# KiCad board keyboard.kicad_pcb (continued)
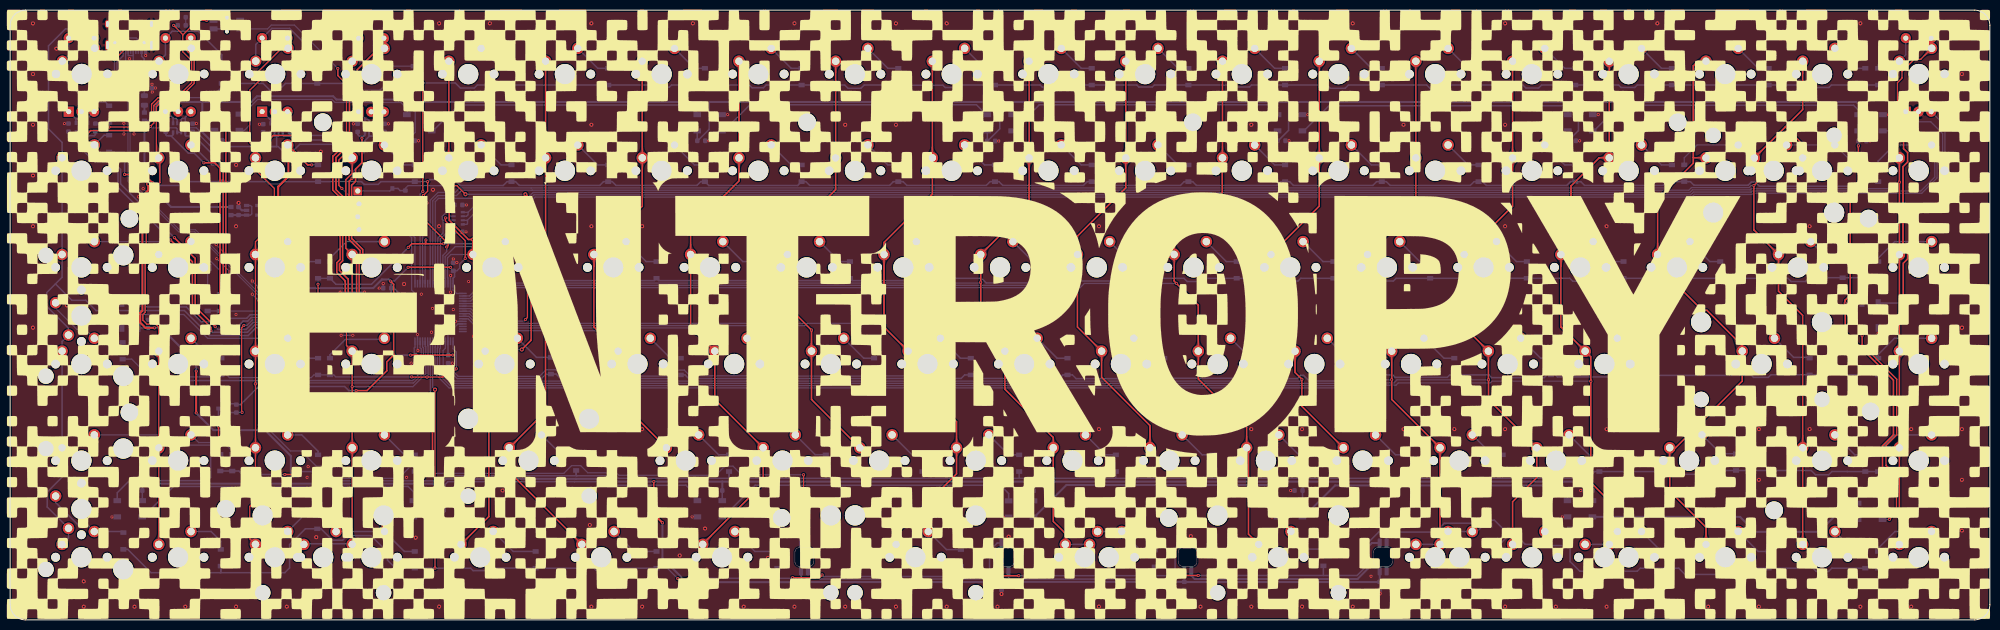
[diagram p0: board, top side]
## Copper pours and planes (outline as drawn; the poured copper is in the pictures) (continued)
Net-(D_18-Pad2) on Bottom: 361.25,111.11 361.12,111.24 361.01,111.38 360.92,111.52 360.83,111.67 360.76,111.82 360.7,111.98 360.66,112.14 360.63,112.31 360.61,112.48 360.6,112.66 359.08,113.07 359.49,111.54 359.66,111.54 359.84,111.52 360,111.49 360.16,111.44 360.32,111.39 360.47,111.31 360.62,111.23 360.76,111.13 360.9,111.02 361.04,110.9
Net-(D_19-Pad2) on Bottom: 373.35,111.48 373.3,111.43 373.23,111.39 373.14,111.35 373.05,111.32 372.94,111.3 372.82,111.27 372.68,111.26 372.54,111.25 372.38,111.24 372.2,111.24 371.8,109.75 373.29,110.15 373.29,110.33 373.3,110.49 373.31,110.63 373.32,110.77 373.35,110.89 373.37,111 373.4,111.09 373.44,111.18 373.48,111.25 373.53,111.3
Net-(D_19-Pad2) on Bottom: 373.56,112.57 373.57,112.73 373.59,112.89 373.62,113.04 373.66,113.19 373.71,113.33 373.77,113.47 373.85,113.6 373.93,113.73 374.03,113.85 374.14,113.97 373.44,115.18 372.74,113.97 372.85,113.85 372.95,113.73 373.03,113.6 373.11,113.47 373.17,113.33 373.22,113.19 373.26,113.04 373.29,112.89 373.31,112.73 373.32,112.57
Net-(D_19-Pad2) on Bottom: 369.84,110.02 370.02,110.01 370.2,109.99 370.37,109.96 370.54,109.91 370.7,109.85 370.85,109.78 371,109.7 371.14,109.6 371.27,109.49 371.4,109.37 372.74,110.14 371.4,110.91 371.27,110.79 371.14,110.68 371,110.58 370.85,110.5 370.7,110.43 370.54,110.37 370.37,110.32 370.2,110.29 370.02,110.27 369.84,110.27
Net-(D_20-Pad2) on Bottom: 18.14,95.39 18,95.26 17.86,95.15 17.72,95.06 17.57,94.97 17.42,94.9 17.26,94.84 17.1,94.8 16.94,94.77 16.76,94.75 16.59,94.74 16.18,93.22 17.7,93.63 17.71,93.8 17.73,93.98 17.76,94.14 17.8,94.3 17.86,94.46 17.93,94.61 18.02,94.76 18.11,94.9 18.22,95.04 18.35,95.18
Net-(D_21-Pad2) on Bottom: 37.61,92.06 37.45,92.19 37.3,92.33 37.17,92.47 37.06,92.62 36.96,92.77 36.89,92.93 36.83,93.09 36.78,93.26 36.76,93.43 36.75,93.61 35.23,94.02 35.64,92.49 35.82,92.49 35.99,92.47 36.17,92.44 36.35,92.39 36.53,92.34 36.7,92.26 36.88,92.18 37.05,92.08 37.23,91.97 37.4,91.85
Net-(D_22-Pad2) on Top: 56.45,92.06 56.32,92.19 56.21,92.33 56.12,92.47 56.03,92.62 55.96,92.77 55.9,92.93 55.86,93.09 55.83,93.26 55.81,93.43 55.8,93.61 54.28,94.02 54.69,92.49 54.86,92.49 55.04,92.47 55.2,92.44 55.36,92.39 55.52,92.34 55.67,92.26 55.82,92.18 55.96,92.08 56.1,91.97 56.24,91.85
Net-(D_23-Pad2) on Bottom: 75.5,92.06 75.37,92.19 75.26,92.33 75.17,92.47 75.08,92.62 75.01,92.77 74.95,92.93 74.91,93.09 74.88,93.26 74.86,93.43 74.85,93.61 73.33,94.02 73.74,92.49 73.91,92.49 74.09,92.47 74.25,92.44 74.41,92.39 74.57,92.34 74.72,92.26 74.87,92.18 75.01,92.08 75.15,91.97 75.29,91.85
Net-(D_24-Pad2) on Bottom: 94.55,92.06 94.42,92.19 94.31,92.33 94.22,92.47 94.13,92.62 94.06,92.77 94,92.93 93.96,93.09 93.93,93.26 93.91,93.43 93.9,93.61 92.38,94.02 92.79,92.49 92.96,92.49 93.14,92.47 93.3,92.44 93.46,92.39 93.62,92.34 93.77,92.26 93.92,92.18 94.06,92.08 94.2,91.97 94.34,91.85
Net-(D_25-Pad2) on Bottom: 113.6,92.06 113.47,92.19 113.36,92.33 113.27,92.47 113.18,92.62 113.11,92.77 113.05,92.93 113.01,93.09 112.98,93.26 112.96,93.43 112.95,93.61 111.43,94.02 111.84,92.49 112.01,92.49 112.19,92.47 112.35,92.44 112.51,92.39 112.67,92.34 112.82,92.26 112.97,92.18 113.11,92.08 113.25,91.97 113.39,91.85
Net-(D_26-Pad2) on Bottom: 132.65,92.06 132.52,92.19 132.41,92.33 132.32,92.47 132.23,92.62 132.16,92.77 132.1,92.93 132.06,93.09 132.03,93.26 132.01,93.43 132,93.61 130.48,94.02 130.89,92.49 131.06,92.49 131.24,92.47 131.4,92.44 131.56,92.39 131.72,92.34 131.87,92.26 132.02,92.18 132.16,92.08 132.3,91.97 132.44,91.85
Net-(D_27-Pad2) on Bottom: 151.7,92.06 151.57,92.19 151.46,92.33 151.37,92.47 151.28,92.62 151.21,92.77 151.15,92.93 151.11,93.09 151.08,93.26 151.06,93.43 151.05,93.61 149.53,94.02 149.94,92.49 150.11,92.49 150.29,92.47 150.45,92.44 150.61,92.39 150.77,92.34 150.92,92.26 151.07,92.18 151.21,92.08 151.35,91.97 151.49,91.85
Net-(D_28-Pad2) on Bottom: 170.75,92.06 170.62,92.19 170.51,92.33 170.42,92.47 170.33,92.62 170.26,92.77 170.2,92.93 170.16,93.09 170.13,93.26 170.11,93.43 170.1,93.61 168.58,94.02 168.99,92.49 169.16,92.49 169.34,92.47 169.5,92.44 169.66,92.39 169.82,92.34 169.97,92.26 170.12,92.18 170.26,92.08 170.4,91.97 170.54,91.85
Net-(D_29-Pad2) on Bottom: 189.8,92.06 189.67,92.19 189.56,92.33 189.47,92.47 189.38,92.62 189.31,92.77 189.25,92.93 189.21,93.09 189.18,93.26 189.16,93.43 189.15,93.61 187.63,94.02 188.04,92.49 188.21,92.49 188.39,92.47 188.55,92.44 188.71,92.39 188.87,92.34 189.02,92.26 189.17,92.18 189.31,92.08 189.45,91.97 189.59,91.85
Net-(D_30-Pad2) on Bottom: 208.85,92.06 208.72,92.19 208.61,92.33 208.52,92.47 208.43,92.62 208.36,92.77 208.3,92.93 208.26,93.09 208.23,93.26 208.21,93.43 208.2,93.61 206.68,94.02 207.09,92.49 207.26,92.49 207.44,92.47 207.6,92.44 207.76,92.39 207.92,92.34 208.07,92.26 208.22,92.18 208.36,92.08 208.5,91.97 208.64,91.85
Net-(D_31-Pad2) on Bottom: 227.9,92.06 227.77,92.19 227.66,92.33 227.57,92.47 227.48,92.62 227.41,92.77 227.35,92.93 227.31,93.09 227.28,93.26 227.26,93.43 227.25,93.61 225.73,94.02 226.14,92.49 226.31,92.49 226.49,92.47 226.65,92.44 226.81,92.39 226.97,92.34 227.12,92.26 227.27,92.18 227.41,92.08 227.55,91.97 227.69,91.85
Net-(D_32-Pad2) on Bottom: 246.95,92.06 246.82,92.19 246.71,92.33 246.62,92.47 246.53,92.62 246.46,92.77 246.4,92.93 246.36,93.09 246.33,93.26 246.31,93.43 246.3,93.61 244.78,94.02 245.19,92.49 245.36,92.49 245.54,92.47 245.7,92.44 245.86,92.39 246.02,92.34 246.17,92.26 246.32,92.18 246.46,92.08 246.6,91.97 246.74,91.85
Net-(D_33-Pad2) on Bottom: 266,92.06 265.87,92.19 265.76,92.33 265.67,92.47 265.58,92.62 265.51,92.77 265.45,92.93 265.41,93.09 265.38,93.26 265.36,93.43 265.35,93.61 263.83,94.02 264.24,92.49 264.41,92.49 264.59,92.47 264.75,92.44 264.91,92.39 265.07,92.34 265.22,92.26 265.37,92.18 265.51,92.08 265.65,91.97 265.79,91.85
Net-(D_34-Pad2) on Bottom: 285.05,92.06 284.92,92.19 284.81,92.33 284.72,92.47 284.63,92.62 284.56,92.77 284.5,92.93 284.46,93.09 284.43,93.26 284.41,93.43 284.4,93.61 282.88,94.02 283.29,92.49 283.46,92.49 283.64,92.47 283.8,92.44 283.96,92.39 284.12,92.34 284.27,92.26 284.42,92.18 284.56,92.08 284.7,91.97 284.84,91.85
Net-(D_35-Pad2) on Bottom: 304.1,92.06 303.97,92.19 303.86,92.33 303.77,92.47 303.68,92.62 303.61,92.77 303.55,92.93 303.51,93.09 303.48,93.26 303.46,93.43 303.45,93.61 301.93,94.02 302.34,92.49 302.51,92.49 302.69,92.47 302.85,92.44 303.01,92.39 303.17,92.34 303.32,92.26 303.47,92.18 303.61,92.08 303.75,91.97 303.89,91.85
Net-(D_36-Pad2) on Bottom: 323.15,92.06 323.02,92.19 322.91,92.33 322.82,92.47 322.73,92.62 322.66,92.77 322.6,92.93 322.56,93.09 322.53,93.26 322.51,93.43 322.5,93.61 320.98,94.02 321.39,92.49 321.56,92.49 321.74,92.47 321.9,92.44 322.06,92.39 322.22,92.34 322.37,92.26 322.52,92.18 322.66,92.08 322.8,91.97 322.94,91.85
Net-(D_37-Pad2) on Bottom: 361.27,92 361.14,92.14 361.03,92.28 360.93,92.43 360.84,92.58 360.77,92.74 360.71,92.9 360.66,93.07 360.63,93.25 360.61,93.42 360.6,93.61 359.08,94.02 359.49,92.49 359.67,92.49 359.85,92.47 360.02,92.44 360.19,92.39 360.35,92.33 360.51,92.26 360.67,92.17 360.81,92.07 360.96,91.95 361.1,91.82
Net-(D_37-Pad2) on Bottom: 357.06,93.49 357.25,93.49 357.44,93.47 357.61,93.43 357.78,93.39 357.95,93.33 358.1,93.25 358.26,93.17 358.4,93.07 358.54,92.96 358.67,92.83 360.04,93.62 358.67,94.41 358.54,94.28 358.4,94.17 358.26,94.07 358.1,93.98 357.95,93.91 357.78,93.85 357.61,93.8 357.44,93.77 357.25,93.75 357.06,93.74
Net-(D_37-Pad2) on Bottom: 352.6,93.74 352.36,93.75 352.14,93.77 351.93,93.8 351.73,93.85 351.54,93.91 351.36,93.98 351.19,94.07 351.04,94.17 350.89,94.28 350.76,94.41 349.39,93.62 350.76,92.83 350.89,92.96 351.04,93.07 351.19,93.17 351.36,93.25 351.54,93.33 351.73,93.39 351.93,93.43 352.14,93.47 352.36,93.49 352.6,93.49
Net-(D_38-Pad2) on Bottom: 376.17,93.47 376.36,93.46 376.53,93.44 376.7,93.41 376.87,93.37 377.02,93.31 377.18,93.24 377.32,93.16 377.46,93.06 377.6,92.95 377.72,92.83 379.09,93.62 377.72,94.41 377.6,94.28 377.46,94.18 377.32,94.08 377.18,94 377.02,93.93 376.87,93.87 376.7,93.82 376.53,93.79 376.36,93.77 376.17,93.77
Net-(D_39-Pad2) on Bottom: 18.17,74.69 18.14,74.7 18.09,74.72 18.04,74.75 17.98,74.8 17.9,74.86 17.82,74.93 17.72,75.02 17.62,75.12 17.51,75.23 17.38,75.35 16.02,74.57 17.38,73.78 17.51,73.91 17.62,74.02 17.72,74.12 17.82,74.2 17.9,74.28 17.98,74.34 18.04,74.38 18.09,74.42 18.14,74.44 18.17,74.44
Net-(D_40-Pad2) on Bottom: 14.78,57.14 14.91,57 15.03,56.85 15.13,56.71 15.22,56.55 15.29,56.39 15.35,56.23 15.4,56.06 15.43,55.89 15.45,55.71 15.45,55.53 16.98,55.12 16.57,56.64 16.38,56.65 16.21,56.67 16.03,56.7 15.86,56.75 15.7,56.81 15.54,56.88 15.39,56.97 15.24,57.07 15.1,57.18 14.96,57.31
Net-(D_40-Pad2) on Bottom: 10.75,59.82 10.62,60.16 10.51,60.49 10.41,60.79 10.32,61.09 10.25,61.36 10.19,61.62 10.14,61.86 10.11,62.09 10.09,62.3 10.08,62.49 8.56,62.9 8.97,61.38 9.15,61.36 9.33,61.31 9.5,61.23 9.67,61.11 9.83,60.95 9.99,60.76 10.15,60.53 10.29,60.27 10.44,59.98 10.58,59.65
Net-(D_41-Pad2) on Bottom: 37.42,72.95 37.29,73.09 37.18,73.23 37.08,73.38 36.99,73.53 36.92,73.69 36.86,73.85 36.81,74.02 36.78,74.2 36.76,74.37 36.75,74.56 35.23,74.97 35.64,73.44 35.82,73.44 36,73.42 36.17,73.39 36.34,73.34 36.5,73.28 36.66,73.21 36.82,73.12 36.96,73.02 37.11,72.9 37.25,72.77
Net-(D_42-Pad2) on Bottom: 56.45,73.01 56.32,73.14 56.21,73.28 56.12,73.42 56.03,73.57 55.96,73.72 55.9,73.88 55.86,74.04 55.83,74.21 55.81,74.38 55.8,74.56 54.28,74.97 54.69,73.44 54.86,73.44 55.04,73.42 55.2,73.39 55.36,73.34 55.52,73.29 55.67,73.21 55.82,73.13 55.96,73.03 56.1,72.92 56.24,72.8
Net-(D_43-Pad2) on Bottom: 71.37,74.42 71.56,74.41 71.73,74.39 71.9,74.36 72.07,74.32 72.22,74.26 72.38,74.19 72.52,74.11 72.66,74.01 72.8,73.9 72.92,73.78 74.29,74.57 72.92,75.35 72.8,75.23 72.66,75.13 72.52,75.03 72.38,74.95 72.22,74.88 72.07,74.82 71.9,74.77 71.73,74.74 71.56,74.72 71.37,74.72
Net-(D_44-Pad2) on Bottom: 99.33,74.72 99.26,74.72 99.18,74.74 99.09,74.77 99,74.82 98.9,74.88 98.8,74.95 98.69,75.03 98.58,75.13 98.47,75.23 98.34,75.35 96.98,74.57 98.34,73.78 98.47,73.9 98.58,74.01 98.69,74.11 98.8,74.19 98.9,74.26 99,74.32 99.09,74.36 99.18,74.39 99.26,74.41 99.33,74.42
Net-(D_45-Pad2) on Bottom: 123.12,73.01 123,73.14 122.89,73.28 122.79,73.42 122.71,73.57 122.63,73.72 122.58,73.88 122.53,74.04 122.5,74.21 122.48,74.38 122.48,74.56 120.95,74.97 121.36,73.44 121.54,73.44 121.71,73.42 121.88,73.39 122.04,73.34 122.2,73.29 122.35,73.21 122.5,73.13 122.64,73.03 122.78,72.92 122.91,72.8
Net-(D_46-Pad2) on Bottom: 142.17,73.01 142.05,73.14 141.94,73.28 141.84,73.42 141.76,73.57 141.68,73.72 141.63,73.88 141.58,74.04 141.55,74.21 141.53,74.38 141.53,74.56 140,74.97 140.41,73.44 140.59,73.44 140.76,73.42 140.93,73.39 141.09,73.34 141.25,73.29 141.4,73.21 141.55,73.13 141.69,73.03 141.83,72.92 141.96,72.8
Net-(D_47-Pad2) on Bottom: 161.22,73.01 161.1,73.14 160.99,73.28 160.89,73.42 160.81,73.57 160.73,73.72 160.68,73.88 160.63,74.04 160.6,74.21 160.58,74.38 160.58,74.56 159.05,74.97 159.46,73.44 159.64,73.44 159.81,73.42 159.98,73.39 160.14,73.34 160.3,73.29 160.45,73.21 160.6,73.13 160.74,73.03 160.88,72.92 161.01,72.8
Net-(D_48-Pad2) on Bottom: 180.27,73.01 180.15,73.14 180.04,73.28 179.94,73.42 179.86,73.57 179.78,73.72 179.73,73.88 179.68,74.04 179.65,74.21 179.63,74.38 179.63,74.56 178.1,74.97 178.51,73.44 178.69,73.44 178.86,73.42 179.03,73.39 179.19,73.34 179.35,73.29 179.5,73.21 179.65,73.13 179.79,73.03 179.93,72.92 180.06,72.8
Net-(D_49-Pad2) on Bottom: 199.32,73.01 199.2,73.14 199.09,73.28 198.99,73.42 198.91,73.57 198.83,73.72 198.78,73.88 198.73,74.04 198.7,74.21 198.68,74.38 198.68,74.56 197.15,74.97 197.56,73.44 197.74,73.44 197.91,73.42 198.08,73.39 198.24,73.34 198.4,73.29 198.55,73.21 198.7,73.13 198.84,73.03 198.98,72.92 199.11,72.8
Net-(D_50-Pad2) on Bottom: 218.37,73.01 218.25,73.14 218.14,73.28 218.04,73.42 217.96,73.57 217.88,73.72 217.83,73.88 217.78,74.04 217.75,74.21 217.73,74.38 217.73,74.56 216.2,74.97 216.61,73.44 216.79,73.44 216.96,73.42 217.13,73.39 217.29,73.34 217.45,73.29 217.6,73.21 217.75,73.13 217.89,73.03 218.03,72.92 218.16,72.8
Net-(D_51-Pad2) on Bottom: 237.42,73.01 237.3,73.14 237.19,73.28 237.09,73.42 237.01,73.57 236.93,73.72 236.88,73.88 236.83,74.04 236.8,74.21 236.78,74.38 236.78,74.56 235.25,74.97 235.66,73.44 235.84,73.44 236.01,73.42 236.18,73.39 236.34,73.34 236.5,73.29 236.65,73.21 236.8,73.13 236.94,73.03 237.08,72.92 237.21,72.8
Net-(D_52-Pad2) on Bottom: 256.47,73.01 256.35,73.14 256.24,73.28 256.14,73.42 256.06,73.57 255.98,73.72 255.93,73.88 255.88,74.04 255.85,74.21 255.83,74.38 255.83,74.56 254.3,74.97 254.71,73.44 254.89,73.44 255.06,73.42 255.23,73.39 255.39,73.34 255.55,73.29 255.7,73.21 255.85,73.13 255.99,73.03 256.13,72.92 256.26,72.8
Net-(D_53-Pad2) on Bottom: 275.52,73.01 275.4,73.14 275.29,73.28 275.19,73.42 275.11,73.57 275.03,73.72 274.98,73.88 274.93,74.04 274.9,74.21 274.88,74.38 274.88,74.56 273.35,74.97 273.76,73.44 273.94,73.44 274.11,73.42 274.28,73.39 274.44,73.34 274.6,73.29 274.75,73.21 274.9,73.13 275.04,73.03 275.18,72.92 275.31,72.8
Net-(D_54-Pad2) on Bottom: 294.57,73.01 294.45,73.14 294.34,73.28 294.24,73.42 294.16,73.57 294.08,73.72 294.03,73.88 293.98,74.04 293.95,74.21 293.93,74.38 293.93,74.56 292.4,74.97 292.81,73.44 292.99,73.44 293.16,73.42 293.33,73.39 293.49,73.34 293.65,73.29 293.8,73.21 293.95,73.13 294.09,73.03 294.23,72.92 294.36,72.8
Net-(D_55-Pad2) on Bottom: 313.62,73.01 313.5,73.14 313.39,73.28 313.29,73.42 313.21,73.57 313.13,73.72 313.08,73.88 313.03,74.04 313,74.21 312.98,74.38 312.98,74.56 311.45,74.97 311.86,73.44 312.04,73.44 312.21,73.42 312.38,73.39 312.54,73.34 312.7,73.29 312.85,73.21 313,73.13 313.14,73.03 313.28,72.92 313.41,72.8
Net-(D_56-Pad2) on Bottom: 332.67,73.01 332.55,73.14 332.44,73.28 332.34,73.42 332.26,73.57 332.18,73.72 332.13,73.88 332.08,74.04 332.05,74.21 332.03,74.38 332.03,74.56 330.5,74.97 330.91,73.44 331.09,73.44 331.26,73.42 331.43,73.39 331.59,73.34 331.75,73.29 331.9,73.21 332.05,73.13 332.19,73.03 332.33,72.92 332.46,72.8
Net-(D_57-Pad2) on Bottom: 356.49,73.01 356.36,73.14 356.25,73.28 356.15,73.42 356.07,73.57 356,73.72 355.94,73.88 355.89,74.04 355.86,74.21 355.84,74.38 355.84,74.56 354.32,74.97 354.73,73.44 354.9,73.44 355.07,73.42 355.24,73.39 355.4,73.34 355.56,73.29 355.71,73.21 355.86,73.13 356,73.03 356.14,72.92 356.27,72.8
Net-(D_58-Pad2) on Bottom: 376.17,74.42 376.36,74.41 376.53,74.39 376.7,74.36 376.87,74.32 377.02,74.26 377.18,74.19 377.32,74.11 377.46,74.01 377.6,73.9 377.72,73.78 379.09,74.57 377.72,75.35 377.6,75.23 377.46,75.13 377.32,75.03 377.18,74.95 377.02,74.88 376.87,74.82 376.7,74.77 376.53,74.74 376.36,74.72 376.17,74.72
Net-(D_59-Pad2) on Bottom: 338.01,93.49 338.2,93.49 338.39,93.47 338.56,93.43 338.73,93.39 338.9,93.33 339.05,93.25 339.21,93.17 339.35,93.07 339.49,92.96 339.62,92.83 340.99,93.62 339.62,94.41 339.49,94.28 339.35,94.17 339.21,94.07 339.05,93.98 338.9,93.91 338.73,93.85 338.56,93.8 338.39,93.77 338.2,93.75 338.01,93.74
Net-(D_60-Pad2) on Bottom: 37.4,53.96 37.27,54.09 37.16,54.23 37.07,54.37 36.98,54.52 36.91,54.67 36.85,54.83 36.81,54.99 36.78,55.16 36.76,55.33 36.75,55.51 35.23,55.92 35.64,54.39 35.81,54.39 35.99,54.37 36.15,54.34 36.31,54.29 36.47,54.24 36.62,54.16 36.77,54.08 36.91,53.98 37.05,53.87 37.19,53.75
Net-(D_61-Pad2) on Bottom: 56.45,53.96 56.32,54.09 56.21,54.23 56.12,54.37 56.03,54.52 55.96,54.67 55.9,54.83 55.86,54.99 55.83,55.16 55.81,55.33 55.8,55.51 54.28,55.92 54.69,54.39 54.86,54.39 55.04,54.37 55.2,54.34 55.36,54.29 55.52,54.24 55.67,54.16 55.82,54.08 55.96,53.98 56.1,53.87 56.24,53.75
Net-(D_62-Pad2) on Bottom: 71.16,55.15 71.38,55.18 71.59,55.2 71.8,55.2 71.99,55.19 72.17,55.15 72.34,55.1 72.5,55.04 72.65,54.95 72.79,54.85 72.92,54.73 74.29,55.52 72.92,56.31 72.79,56.18 72.65,56.07 72.5,55.96 72.34,55.86 72.17,55.77 71.99,55.69 71.8,55.62 71.59,55.55 71.38,55.5 71.16,55.45
Net-(D_63-Pad2) on Bottom: 101.69,53.96 101.57,54.09 101.46,54.23 101.36,54.37 101.27,54.52 101.2,54.67 101.15,54.83 101.1,54.99 101.07,55.16 101.05,55.33 101.05,55.51 99.52,55.92 99.93,54.39 100.11,54.39 100.28,54.37 100.45,54.34 100.61,54.29 100.77,54.24 100.92,54.16 101.07,54.08 101.21,53.98 101.35,53.87 101.48,53.75
Net-(D_64-Pad2) on Bottom: 127.89,53.96 127.76,54.09 127.65,54.23 127.55,54.37 127.47,54.52 127.4,54.67 127.34,54.83 127.29,54.99 127.26,55.16 127.24,55.33 127.24,55.51 125.72,55.92 126.13,54.39 126.3,54.39 126.47,54.37 126.64,54.34 126.8,54.29 126.96,54.24 127.11,54.16 127.26,54.08 127.4,53.98 127.54,53.87 127.67,53.75
Net-(D_65-Pad2) on Bottom: 146.94,53.96 146.81,54.09 146.7,54.23 146.6,54.37 146.52,54.52 146.45,54.67 146.39,54.83 146.34,54.99 146.31,55.16 146.29,55.33 146.29,55.51 144.77,55.92 145.18,54.39 145.35,54.39 145.52,54.37 145.69,54.34 145.85,54.29 146.01,54.24 146.16,54.16 146.31,54.08 146.45,53.98 146.59,53.87 146.72,53.75
Net-(D_66-Pad2) on Bottom: 165.99,53.96 165.86,54.09 165.75,54.23 165.65,54.37 165.57,54.52 165.5,54.67 165.44,54.83 165.39,54.99 165.36,55.16 165.34,55.33 165.34,55.51 163.82,55.92 164.23,54.39 164.4,54.39 164.57,54.37 164.74,54.34 164.9,54.29 165.06,54.24 165.21,54.16 165.36,54.08 165.5,53.98 165.64,53.87 165.77,53.75
Net-(D_67-Pad2) on Bottom: 185.04,53.96 184.91,54.09 184.8,54.23 184.7,54.37 184.62,54.52 184.55,54.67 184.49,54.83 184.44,54.99 184.41,55.16 184.39,55.33 184.39,55.51 182.87,55.92 183.28,54.39 183.45,54.39 183.62,54.37 183.79,54.34 183.95,54.29 184.11,54.24 184.26,54.16 184.41,54.08 184.55,53.98 184.69,53.87 184.82,53.75
Net-(D_68-Pad2) on Bottom: 204.09,53.96 203.96,54.09 203.85,54.23 203.75,54.37 203.67,54.52 203.6,54.67 203.54,54.83 203.49,54.99 203.46,55.16 203.44,55.33 203.44,55.51 201.92,55.92 202.33,54.39 202.5,54.39 202.67,54.37 202.84,54.34 203,54.29 203.16,54.24 203.31,54.16 203.46,54.08 203.6,53.98 203.74,53.87 203.87,53.75
Net-(D_69-Pad2) on Bottom: 223.14,53.96 223.01,54.09 222.9,54.23 222.8,54.37 222.72,54.52 222.65,54.67 222.59,54.83 222.54,54.99 222.51,55.16 222.49,55.33 222.49,55.51 220.97,55.92 221.38,54.39 221.55,54.39 221.72,54.37 221.89,54.34 222.05,54.29 222.21,54.24 222.36,54.16 222.51,54.08 222.65,53.98 222.79,53.87 222.92,53.75
Net-(D_70-Pad2) on Bottom: 242.19,53.96 242.06,54.09 241.95,54.23 241.85,54.37 241.77,54.52 241.7,54.67 241.64,54.83 241.59,54.99 241.56,55.16 241.54,55.33 241.54,55.51 240.02,55.92 240.43,54.39 240.6,54.39 240.77,54.37 240.94,54.34 241.1,54.29 241.26,54.24 241.41,54.16 241.56,54.08 241.7,53.98 241.84,53.87 241.97,53.75
Net-(D_71-Pad2) on Bottom: 261.24,53.96 261.11,54.09 261,54.23 260.9,54.37 260.82,54.52 260.75,54.67 260.69,54.83 260.64,54.99 260.61,55.16 260.59,55.33 260.59,55.51 259.07,55.92 259.48,54.39 259.65,54.39 259.82,54.37 259.99,54.34 260.15,54.29 260.31,54.24 260.46,54.16 260.61,54.08 260.75,53.98 260.89,53.87 261.02,53.75
Net-(D_72-Pad2) on Bottom: 280.29,53.96 280.16,54.09 280.05,54.23 279.95,54.37 279.87,54.52 279.8,54.67 279.74,54.83 279.69,54.99 279.66,55.16 279.64,55.33 279.64,55.51 278.12,55.92 278.53,54.39 278.7,54.39 278.87,54.37 279.04,54.34 279.2,54.29 279.36,54.24 279.51,54.16 279.66,54.08 279.8,53.98 279.94,53.87 280.07,53.75
Net-(D_73-Pad2) on Bottom: 299.34,53.96 299.21,54.09 299.1,54.23 299,54.37 298.92,54.52 298.85,54.67 298.79,54.83 298.74,54.99 298.71,55.16 298.69,55.33 298.69,55.51 297.17,55.92 297.58,54.39 297.75,54.39 297.92,54.37 298.09,54.34 298.25,54.29 298.41,54.24 298.56,54.16 298.71,54.08 298.85,53.98 298.99,53.87 299.12,53.75
Net-(D_74-Pad2) on Bottom: 318.39,53.96 318.26,54.09 318.15,54.23 318.05,54.37 317.97,54.52 317.9,54.67 317.84,54.83 317.79,54.99 317.76,55.16 317.74,55.33 317.74,55.51 316.22,55.92 316.63,54.39 316.8,54.39 316.97,54.37 317.14,54.34 317.3,54.29 317.46,54.24 317.61,54.16 317.76,54.08 317.9,53.98 318.04,53.87 318.17,53.75
Net-(D_75-Pad2) on Bottom: 349.34,53.96 349.22,54.09 349.11,54.23 349.01,54.37 348.92,54.52 348.85,54.67 348.8,54.83 348.75,54.99 348.72,55.16 348.7,55.33 348.7,55.51 347.17,55.92 347.58,54.39 347.76,54.39 347.93,54.37 348.1,54.34 348.26,54.29 348.42,54.24 348.57,54.16 348.72,54.08 348.86,53.98 349,53.87 349.13,53.75
Net-(D_76-Pad2) on Bottom: 376.17,55.37 376.36,55.36 376.53,55.34 376.7,55.31 376.87,55.27 377.02,55.21 377.18,55.14 377.32,55.06 377.46,54.96 377.6,54.85 377.72,54.73 379.09,55.52 377.72,56.31 377.6,56.18 377.46,56.08 377.32,55.98 377.18,55.9 377.02,55.83 376.87,55.77 376.7,55.72 376.53,55.69 376.36,55.67 376.17,55.67
Net-(D_77-Pad2) on Bottom: 18.99,36.59 18.8,36.6 18.62,36.62 18.44,36.65 18.27,36.7 18.11,36.76 17.95,36.83 17.8,36.92 17.65,37.02 17.51,37.13 17.38,37.25 16.02,36.47 17.38,35.68 17.51,35.81 17.65,35.92 17.8,36.02 17.95,36.1 18.11,36.18 18.27,36.24 18.44,36.28 18.62,36.32 18.8,36.34 18.99,36.34
Net-(D_78-Pad2) on Bottom: 18.93,17.57 18.75,17.57 18.57,17.59 18.4,17.62 18.24,17.67 18.08,17.73 17.93,17.8 17.78,17.88 17.64,17.98 17.51,18.08 17.38,18.2 16.02,17.42 17.38,16.63 17.51,16.75 17.64,16.86 17.78,16.96 17.93,17.04 18.08,17.11 18.24,17.17 18.4,17.21 18.57,17.24 18.75,17.26 18.93,17.27
Net-(D_78-Pad2) on Bottom: 15.14,18.64 15.2,18.57 15.25,18.49 15.3,18.4 15.34,18.29 15.38,18.18 15.41,18.05 15.43,17.91 15.44,17.76 15.45,17.6 15.45,17.43 16.98,17.02 16.57,18.54 16.39,18.54 16.23,18.55 16.08,18.57 15.94,18.59 15.82,18.62 15.7,18.65 15.6,18.69 15.5,18.74 15.42,18.79 15.35,18.86
Net-(D_79-Pad2) on Bottom: 37.23,35.04 37.14,35.14 37.06,35.25 36.98,35.37 36.92,35.5 36.87,35.64 36.82,35.78 36.79,35.94 36.77,36.1 36.76,36.28 36.75,36.46 35.23,36.87 35.64,35.34 35.82,35.34 35.99,35.33 36.16,35.3 36.31,35.27 36.46,35.23 36.59,35.17 36.72,35.11 36.84,35.04 36.95,34.95 37.06,34.86
Net-(D_80-Pad2) on Bottom: 57.03,36.62 56.85,36.62 56.67,36.64 56.5,36.67 56.34,36.72 56.18,36.78 56.03,36.85 55.88,36.93 55.74,37.03 55.61,37.13 55.48,37.25 54.12,36.47 55.48,35.68 55.61,35.8 55.74,35.91 55.88,36.01 56.03,36.09 56.18,36.16 56.34,36.22 56.5,36.26 56.67,36.29 56.85,36.31 57.03,36.32
Net-(D_81-Pad2) on Bottom: 75.5,34.91 75.37,35.04 75.26,35.18 75.17,35.32 75.08,35.47 75.01,35.62 74.95,35.78 74.91,35.94 74.88,36.11 74.86,36.28 74.85,36.46 73.33,36.87 73.74,35.34 73.91,35.34 74.09,35.32 74.25,35.29 74.41,35.24 74.57,35.19 74.72,35.11 74.87,35.03 75.01,34.93 75.15,34.82 75.29,34.7
Net-(D_82-Pad2) on Bottom: 106.45,34.91 106.33,35.04 106.22,35.18 106.12,35.32 106.04,35.47 105.97,35.62 105.91,35.78 105.86,35.94 105.83,36.11 105.81,36.28 105.81,36.46 104.29,36.87 104.69,35.34 104.87,35.34 105.04,35.32 105.21,35.29 105.37,35.24 105.53,35.19 105.68,35.11 105.83,35.03 105.97,34.93 106.11,34.82 106.24,34.7
Net-(D_83-Pad2) on Bottom: 137.41,34.91 137.29,35.04 137.18,35.18 137.08,35.32 136.99,35.47 136.92,35.62 136.86,35.78 136.82,35.94 136.79,36.11 136.77,36.28 136.76,36.46 135.24,36.87 135.65,35.34 135.83,35.34 136,35.32 136.17,35.29 136.33,35.24 136.48,35.19 136.64,35.11 136.78,35.03 136.93,34.93 137.07,34.82 137.2,34.7
Net-(D_84-Pad2) on Bottom: 156.46,34.91 156.34,35.04 156.23,35.18 156.13,35.32 156.04,35.47 155.97,35.62 155.91,35.78 155.87,35.94 155.84,36.11 155.82,36.28 155.81,36.46 154.29,36.87 154.7,35.34 154.88,35.34 155.05,35.32 155.22,35.29 155.38,35.24 155.53,35.19 155.69,35.11 155.83,35.03 155.98,34.93 156.12,34.82 156.25,34.7
Net-(D_85-Pad2) on Bottom: 175.51,34.91 175.39,35.04 175.28,35.18 175.18,35.32 175.09,35.47 175.02,35.62 174.96,35.78 174.92,35.94 174.89,36.11 174.87,36.28 174.86,36.46 173.34,36.87 173.75,35.34 173.93,35.34 174.1,35.32 174.27,35.29 174.43,35.24 174.58,35.19 174.74,35.11 174.88,35.03 175.03,34.93 175.17,34.82 175.3,34.7
Net-(D_86-Pad2) on Bottom: 194.56,34.91 194.44,35.04 194.33,35.18 194.23,35.32 194.14,35.47 194.07,35.62 194.01,35.78 193.97,35.94 193.94,36.11 193.92,36.28 193.91,36.46 192.39,36.87 192.8,35.34 192.98,35.34 193.15,35.32 193.32,35.29 193.48,35.24 193.63,35.19 193.79,35.11 193.93,35.03 194.08,34.93 194.22,34.82 194.35,34.7
Net-(D_87-Pad2) on Bottom: 213.61,34.91 213.49,35.04 213.38,35.18 213.28,35.32 213.19,35.47 213.12,35.62 213.06,35.78 213.02,35.94 212.99,36.11 212.97,36.28 212.96,36.46 211.44,36.87 211.85,35.34 212.03,35.34 212.2,35.32 212.37,35.29 212.53,35.24 212.68,35.19 212.84,35.11 212.98,35.03 213.13,34.93 213.27,34.82 213.4,34.7
Net-(D_88-Pad2) on Bottom: 232.66,34.91 232.54,35.04 232.43,35.18 232.33,35.32 232.24,35.47 232.17,35.62 232.11,35.78 232.07,35.94 232.04,36.11 232.02,36.28 232.01,36.46 230.49,36.87 230.9,35.34 231.08,35.34 231.25,35.32 231.42,35.29 231.58,35.24 231.73,35.19 231.89,35.11 232.03,35.03 232.18,34.93 232.32,34.82 232.45,34.7
Net-(D_89-Pad2) on Bottom: 251.71,34.91 251.59,35.04 251.48,35.18 251.38,35.32 251.29,35.47 251.22,35.62 251.16,35.78 251.12,35.94 251.09,36.11 251.07,36.28 251.06,36.46 249.54,36.87 249.95,35.34 250.13,35.34 250.3,35.32 250.47,35.29 250.63,35.24 250.78,35.19 250.94,35.11 251.08,35.03 251.23,34.93 251.37,34.82 251.5,34.7
Net-(D_90-Pad2) on Bottom: 270.76,34.91 270.64,35.04 270.53,35.18 270.43,35.32 270.34,35.47 270.27,35.62 270.21,35.78 270.17,35.94 270.14,36.11 270.12,36.28 270.11,36.46 268.59,36.87 269,35.34 269.18,35.34 269.35,35.32 269.52,35.29 269.68,35.24 269.83,35.19 269.99,35.11 270.13,35.03 270.28,34.93 270.42,34.82 270.55,34.7
Net-(D_91-Pad2) on Bottom: 289.81,34.91 289.69,35.04 289.58,35.18 289.48,35.32 289.39,35.47 289.32,35.62 289.26,35.78 289.22,35.94 289.19,36.11 289.17,36.28 289.16,36.46 287.64,36.87 288.05,35.34 288.23,35.34 288.4,35.32 288.57,35.29 288.73,35.24 288.88,35.19 289.04,35.11 289.18,35.03 289.33,34.93 289.47,34.82 289.6,34.7
Net-(D_92-Pad2) on Bottom: 308.86,34.91 308.74,35.04 308.63,35.18 308.53,35.32 308.44,35.47 308.37,35.62 308.31,35.78 308.27,35.94 308.24,36.11 308.22,36.28 308.21,36.46 306.69,36.87 307.1,35.34 307.28,35.34 307.45,35.32 307.62,35.29 307.78,35.24 307.93,35.19 308.09,35.11 308.23,35.03 308.38,34.93 308.52,34.82 308.65,34.7
Net-(D_93-Pad2) on Bottom: 335.05,34.91 334.93,35.04 334.82,35.18 334.72,35.32 334.64,35.47 334.57,35.62 334.51,35.78 334.46,35.94 334.43,36.11 334.41,36.28 334.41,36.46 332.89,36.87 333.3,35.34 333.47,35.34 333.64,35.32 333.81,35.29 333.97,35.24 334.13,35.19 334.28,35.11 334.43,35.03 334.57,34.93 334.71,34.82 334.84,34.7
Net-(D_94-Pad2) on Bottom: 361.25,34.91 361.12,35.04 361.01,35.18 360.92,35.32 360.83,35.47 360.76,35.62 360.7,35.78 360.66,35.94 360.63,36.11 360.61,36.28 360.6,36.46 359.08,36.87 359.49,35.34 359.66,35.34 359.84,35.32 360,35.29 360.16,35.24 360.32,35.19 360.47,35.11 360.62,35.03 360.76,34.93 360.9,34.82 361.04,34.7
Net-(D_95-Pad2) on Bottom: 376.17,36.32 376.36,36.31 376.53,36.29 376.7,36.26 376.87,36.22 377.02,36.16 377.18,36.09 377.32,36.01 377.46,35.91 377.6,35.8 377.72,35.68 379.09,36.47 377.72,37.25 377.6,37.13 377.46,37.03 377.32,36.93 377.18,36.85 377.02,36.78 376.87,36.72 376.7,36.67 376.53,36.64 376.36,36.62 376.17,36.62
Net-(D_97-Pad2) on Bottom: 37.98,17.57 37.8,17.57 37.62,17.59 37.45,17.62 37.29,17.67 37.13,17.73 36.98,17.8 36.83,17.88 36.69,17.98 36.56,18.08 36.43,18.2 35.06,17.42 36.43,16.63 36.56,16.75 36.69,16.86 36.83,16.96 36.98,17.04 37.13,17.11 37.29,17.17 37.45,17.21 37.62,17.24 37.8,17.26 37.98,17.27
Net-(D_98-Pad2) on Bottom: 66.56,17.57 66.37,17.57 66.2,17.59 66.03,17.62 65.86,17.67 65.71,17.73 65.55,17.8 65.41,17.88 65.27,17.98 65.13,18.08 65.01,18.2 63.64,17.42 65.01,16.63 65.13,16.75 65.27,16.86 65.41,16.96 65.55,17.04 65.71,17.11 65.86,17.17 66.03,17.21 66.2,17.24 66.37,17.26 66.56,17.27
Net-(D_98-Pad2) on Bottom: 71.37,17.27 71.56,17.26 71.73,17.24 71.9,17.21 72.07,17.17 72.22,17.11 72.38,17.04 72.52,16.96 72.66,16.86 72.8,16.75 72.92,16.63 74.29,17.42 72.92,18.2 72.8,18.08 72.66,17.98 72.52,17.88 72.38,17.8 72.22,17.73 72.07,17.67 71.9,17.62 71.73,17.59 71.56,17.57 71.37,17.57
Net-(D_98-Pad2) on Bottom: 75.5,15.86 75.37,15.99 75.26,16.13 75.17,16.27 75.08,16.42 75.01,16.57 74.95,16.73 74.91,16.89 74.88,17.06 74.86,17.23 74.85,17.41 73.33,17.82 73.74,16.29 73.91,16.29 74.09,16.27 74.25,16.24 74.41,16.19 74.57,16.14 74.72,16.06 74.87,15.98 75.01,15.88 75.15,15.77 75.29,15.65
Net-(D_99-Pad2) on Bottom: 96.93,15.86 96.8,15.99 96.69,16.13 96.6,16.27 96.51,16.42 96.44,16.57 96.38,16.73 96.34,16.89 96.31,17.06 96.29,17.23 96.28,17.41 94.76,17.82 95.17,16.29 95.35,16.29 95.52,16.27 95.68,16.24 95.85,16.19 96,16.14 96.16,16.06 96.3,15.98 96.45,15.88 96.58,15.77 96.72,15.65
Net-(D_100-Pad2) on Bottom: 120.74,15.86 120.62,15.99 120.51,16.13 120.41,16.27 120.32,16.42 120.25,16.57 120.2,16.73 120.15,16.89 120.12,17.06 120.1,17.23 120.1,17.41 118.57,17.82 118.98,16.29 119.16,16.29 119.33,16.27 119.5,16.24 119.66,16.19 119.82,16.14 119.97,16.06 120.12,15.98 120.26,15.88 120.4,15.77 120.53,15.65
Net-(D_101-Pad2) on Bottom: 144.55,15.86 144.43,15.99 144.32,16.13 144.22,16.27 144.14,16.42 144.07,16.57 144.01,16.73 143.96,16.89 143.93,17.06 143.91,17.23 143.91,17.41 142.39,17.82 142.79,16.29 142.97,16.29 143.14,16.27 143.31,16.24 143.47,16.19 143.63,16.14 143.78,16.06 143.93,15.98 144.07,15.88 144.21,15.77 144.34,15.65
Net-(D_102-Pad2) on Bottom: 216.58,17.57 216.39,17.57 216.22,17.59 216.05,17.62 215.88,17.67 215.72,17.73 215.57,17.8 215.43,17.88 215.29,17.98 215.15,18.08 215.02,18.2 213.66,17.42 215.02,16.63 215.15,16.75 215.29,16.86 215.43,16.96 215.57,17.04 215.72,17.11 215.88,17.17 216.05,17.21 216.22,17.24 216.39,17.26 216.58,17.27
Net-(D_102-Pad2) on Bottom: 216.63,17.27 216.81,17.26 216.99,17.24 217.16,17.21 217.32,17.17 217.48,17.11 217.63,17.04 217.78,16.96 217.92,16.86 218.05,16.75 218.18,16.63 219.55,17.42 218.18,18.2 218.05,18.08 217.92,17.98 217.78,17.88 217.63,17.8 217.48,17.73 217.32,17.67 217.16,17.62 216.99,17.59 216.81,17.57 216.63,17.57
Net-(D_102-Pad2) on Bottom: 220.75,15.86 220.63,15.99 220.52,16.13 220.42,16.27 220.34,16.42 220.27,16.57 220.21,16.73 220.16,16.89 220.13,17.06 220.11,17.23 220.11,17.41 218.59,17.82 219,16.29 219.17,16.29 219.34,16.27 219.51,16.24 219.67,16.19 219.83,16.14 219.98,16.06 220.13,15.98 220.27,15.88 220.41,15.77 220.54,15.65
Net-(D_103-Pad2) on Bottom: 285.69,17.27 285.87,17.26 286.04,17.24 286.21,17.21 286.38,17.17 286.54,17.11 286.69,17.04 286.83,16.96 286.97,16.86 287.11,16.75 287.24,16.63 288.6,17.42 287.24,18.2 287.11,18.08 286.97,17.98 286.83,17.88 286.69,17.8 286.54,17.73 286.38,17.67 286.21,17.62 286.04,17.59 285.87,17.57 285.69,17.57
Net-(D_103-Pad2) on Bottom: 285.63,17.57 285.45,17.57 285.27,17.59 285.1,17.62 284.94,17.67 284.78,17.73 284.63,17.8 284.48,17.88 284.34,17.98 284.21,18.08 284.08,18.2 282.71,17.42 284.08,16.63 284.21,16.75 284.34,16.86 284.48,16.96 284.63,17.04 284.78,17.11 284.94,17.17 285.1,17.21 285.27,17.24 285.45,17.26 285.63,17.27
Net-(D_103-Pad2) on Bottom: 290.09,18.76 289.87,18.71 289.64,18.68 289.43,18.64 289.22,18.62 289.01,18.59 288.81,18.57 288.61,18.56 288.42,18.55 288.23,18.54 288.05,18.54 287.64,17.02 289.16,17.43 289.17,17.6 289.21,17.76 289.26,17.9 289.34,18.04 289.45,18.15 289.57,18.26 289.72,18.35 289.89,18.43 290.09,18.49 290.31,18.54
Net-(D_104-Pad2) on Bottom: 319.02,17.27 319.21,17.26 319.38,17.24 319.55,17.21 319.72,17.17 319.87,17.11 320.03,17.04 320.17,16.96 320.31,16.86 320.45,16.75 320.57,16.63 321.94,17.42 320.57,18.2 320.45,18.08 320.31,17.98 320.17,17.88 320.03,17.8 319.87,17.73 319.72,17.67 319.55,17.62 319.38,17.59 319.21,17.57 319.02,17.57
Net-(D_104-Pad2) on Bottom: 318.97,17.57 318.79,17.57 318.61,17.59 318.44,17.62 318.28,17.67 318.12,17.73 317.97,17.8 317.82,17.88 317.68,17.98 317.55,18.08 317.42,18.2 316.05,17.42 317.42,16.63 317.55,16.75 317.68,16.86 317.82,16.96 317.97,17.04 318.12,17.11 318.28,17.17 318.44,17.21 318.61,17.24 318.79,17.26 318.97,17.27
Net-(D_104-Pad2) on Bottom: 323.15,15.86 323.02,15.99 322.91,16.13 322.82,16.27 322.73,16.42 322.66,16.57 322.6,16.73 322.56,16.89 322.53,17.06 322.51,17.23 322.5,17.41 320.98,17.82 321.39,16.29 321.56,16.29 321.74,16.27 321.9,16.24 322.06,16.19 322.22,16.14 322.37,16.06 322.52,15.98 322.66,15.88 322.8,15.77 322.94,15.65
Net-(D_105-Pad2) on Bottom: 342.2,15.86 342.07,15.99 341.96,16.13 341.87,16.27 341.78,16.42 341.71,16.57 341.65,16.73 341.61,16.89 341.58,17.06 341.56,17.23 341.55,17.41 340.03,17.82 340.44,16.29 340.61,16.29 340.79,16.27 340.95,16.24 341.11,16.19 341.27,16.14 341.42,16.06 341.57,15.98 341.71,15.88 341.85,15.77 341.99,15.65
Net-(D_106-Pad2) on Bottom: 361.25,15.86 361.12,15.99 361.01,16.13 360.92,16.27 360.83,16.42 360.76,16.57 360.7,16.73 360.66,16.89 360.63,17.06 360.61,17.23 360.6,17.41 359.08,17.82 359.49,16.29 359.66,16.29 359.84,16.27 360,16.24 360.16,16.19 360.32,16.14 360.47,16.06 360.62,15.98 360.76,15.88 360.9,15.77 361.04,15.65
Net-(D_107-Pad2) on Bottom: 376.17,17.27 376.36,17.26 376.53,17.24 376.7,17.21 376.87,17.17 377.02,17.11 377.18,17.04 377.32,16.96 377.46,16.86 377.6,16.75 377.72,16.63 379.09,17.42 377.72,18.2 377.6,18.08 377.46,17.98 377.32,17.88 377.18,17.8 377.02,17.73 376.87,17.67 376.7,17.62 376.53,17.59 376.36,17.57 376.17,17.57
Net-(D_108-Pad2) on Bottom: 56.24,19.19 56.1,19.06 55.96,18.95 55.82,18.86 55.67,18.77 55.52,18.7 55.36,18.64 55.2,18.6 55.04,18.57 54.86,18.55 54.69,18.54 54.28,17.02 55.8,17.43 55.81,17.6 55.83,17.78 55.86,17.94 55.9,18.1 55.96,18.26 56.03,18.41 56.12,18.56 56.21,18.7 56.32,18.84 56.45,18.98
Net-(D_110-Pad2) on Bottom: 182.65,15.86 182.53,15.99 182.42,16.13 182.32,16.27 182.24,16.42 182.17,16.57 182.11,16.73 182.06,16.89 182.03,17.06 182.01,17.23 182.01,17.41 180.49,17.82 180.89,16.29 181.07,16.29 181.24,16.27 181.41,16.24 181.57,16.19 181.73,16.14 181.88,16.06 182.03,15.98 182.17,15.88 182.31,15.77 182.44,15.65
Net-(D_112-Pad2) on Bottom: 254.09,15.86 253.97,15.99 253.86,16.13 253.76,16.27 253.67,16.42 253.6,16.57 253.55,16.73 253.5,16.89 253.47,17.06 253.45,17.23 253.45,17.41 251.92,17.82 252.33,16.29 252.51,16.29 252.68,16.27 252.85,16.24 253.01,16.19 253.17,16.14 253.32,16.06 253.47,15.98 253.61,15.88 253.75,15.77 253.88,15.65
Net-(D_114-Pad2) on Bottom: 304.74,17.54 304.55,17.55 304.37,17.57 304.19,17.6 304.02,17.65 303.86,17.71 303.7,17.78 303.55,17.87 303.4,17.97 303.26,18.08 303.13,18.2 301.76,17.42 303.13,16.63 303.26,16.76 303.4,16.87 303.55,16.97 303.7,17.05 303.86,17.13 304.02,17.19 304.19,17.23 304.37,17.27 304.55,17.29 304.74,17.29

Small or netless copper shapes (teardrops, artwork), in the pictures only: 144 on Top, 238 on Bottom

## Text on the board
B.SilkS: JLCJLCJLC | RST | SWDCLK | SWDIO | nRST | GND | PWR
